# Altium PCB DIO_MCX_Isolated.PCBDOC (part 1 of 5)
Units mm, origin at the board's own origin, x right, y up, seen from the top; angles counter-clockwise.
Board outline 220 x 100 mm, 4 copper layers (L1, P2, P3, L4), stack 1.571 mm thick; 384 components, 255 nets, 1667 pads, 660 vias.
Unrouted connection lines stored in the file: 783.
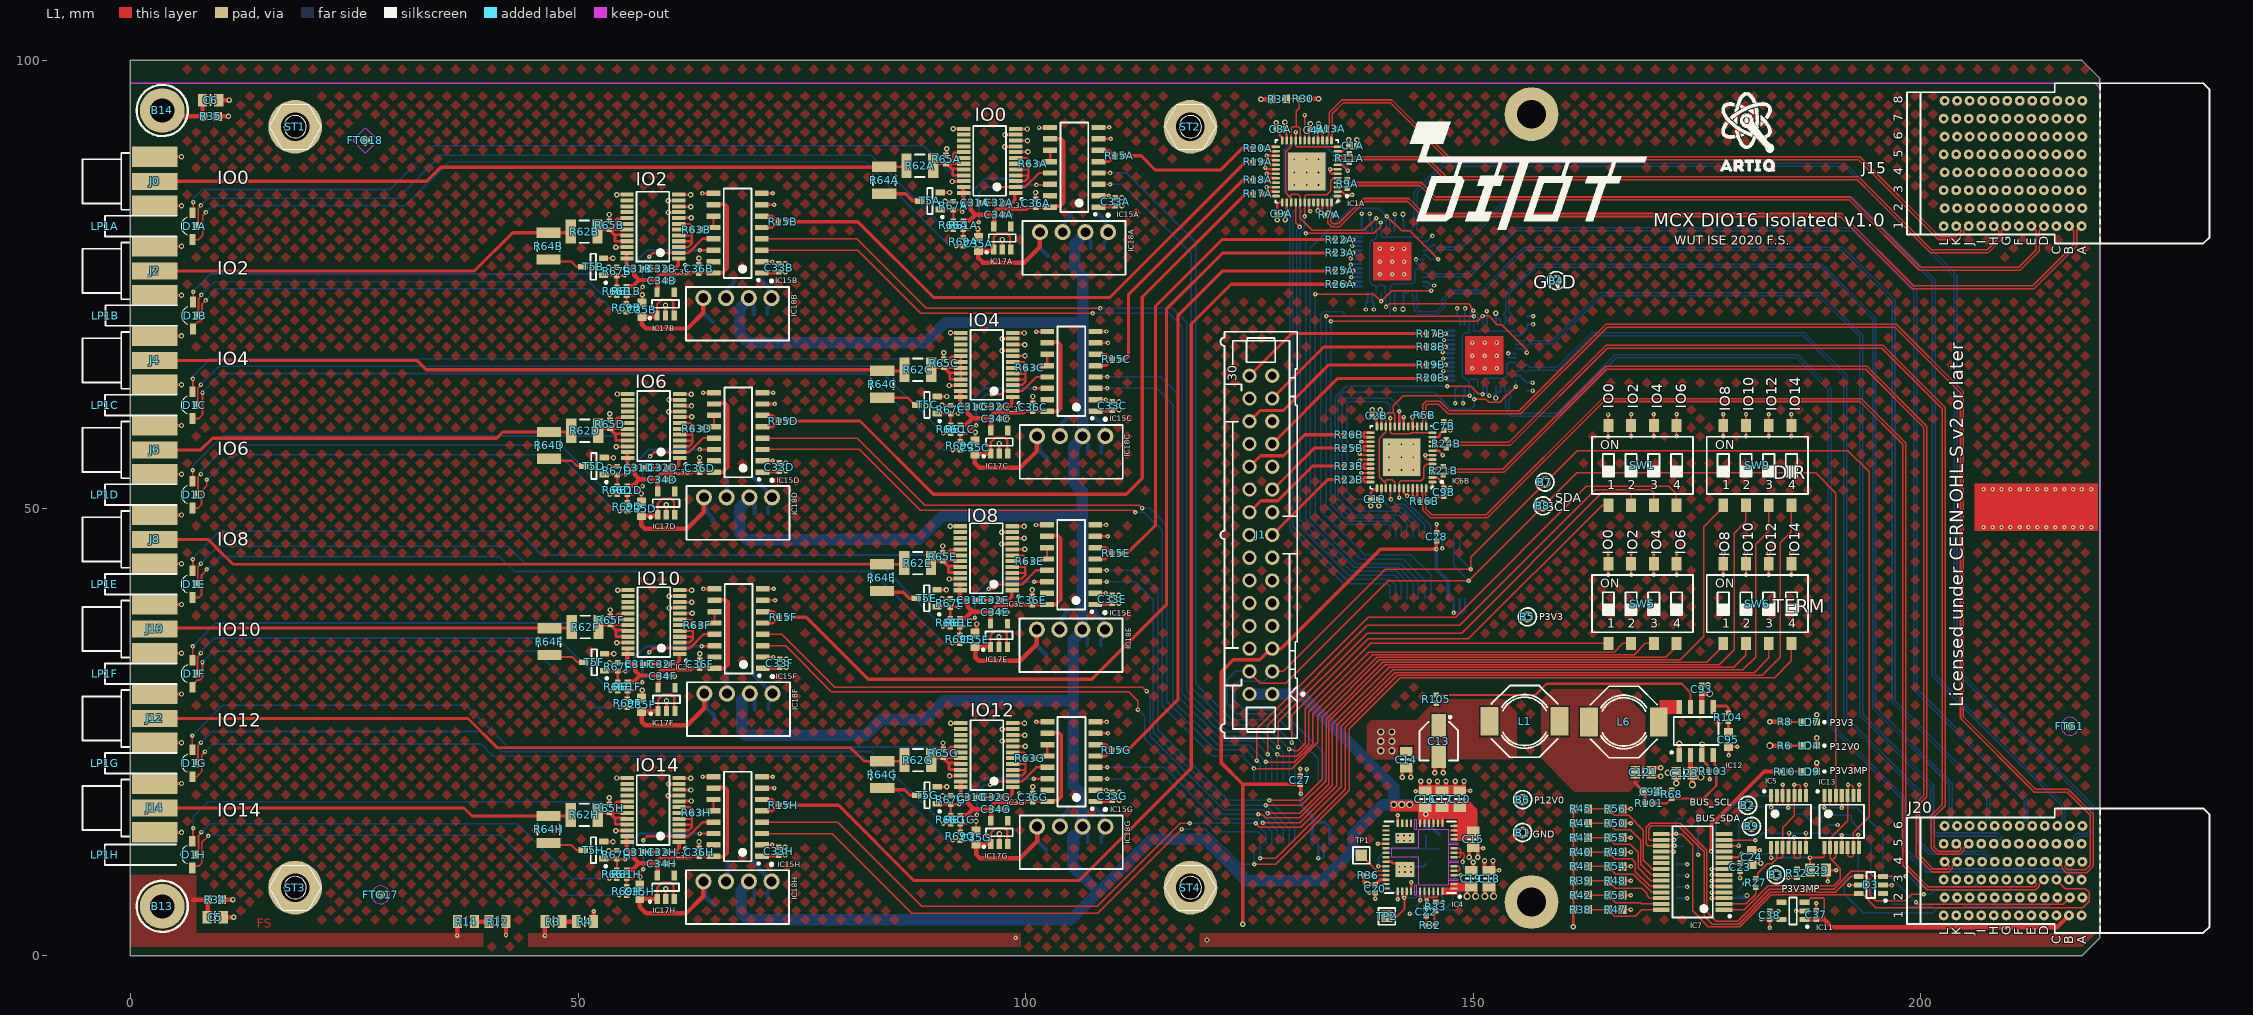
[diagram p0: L1 view]
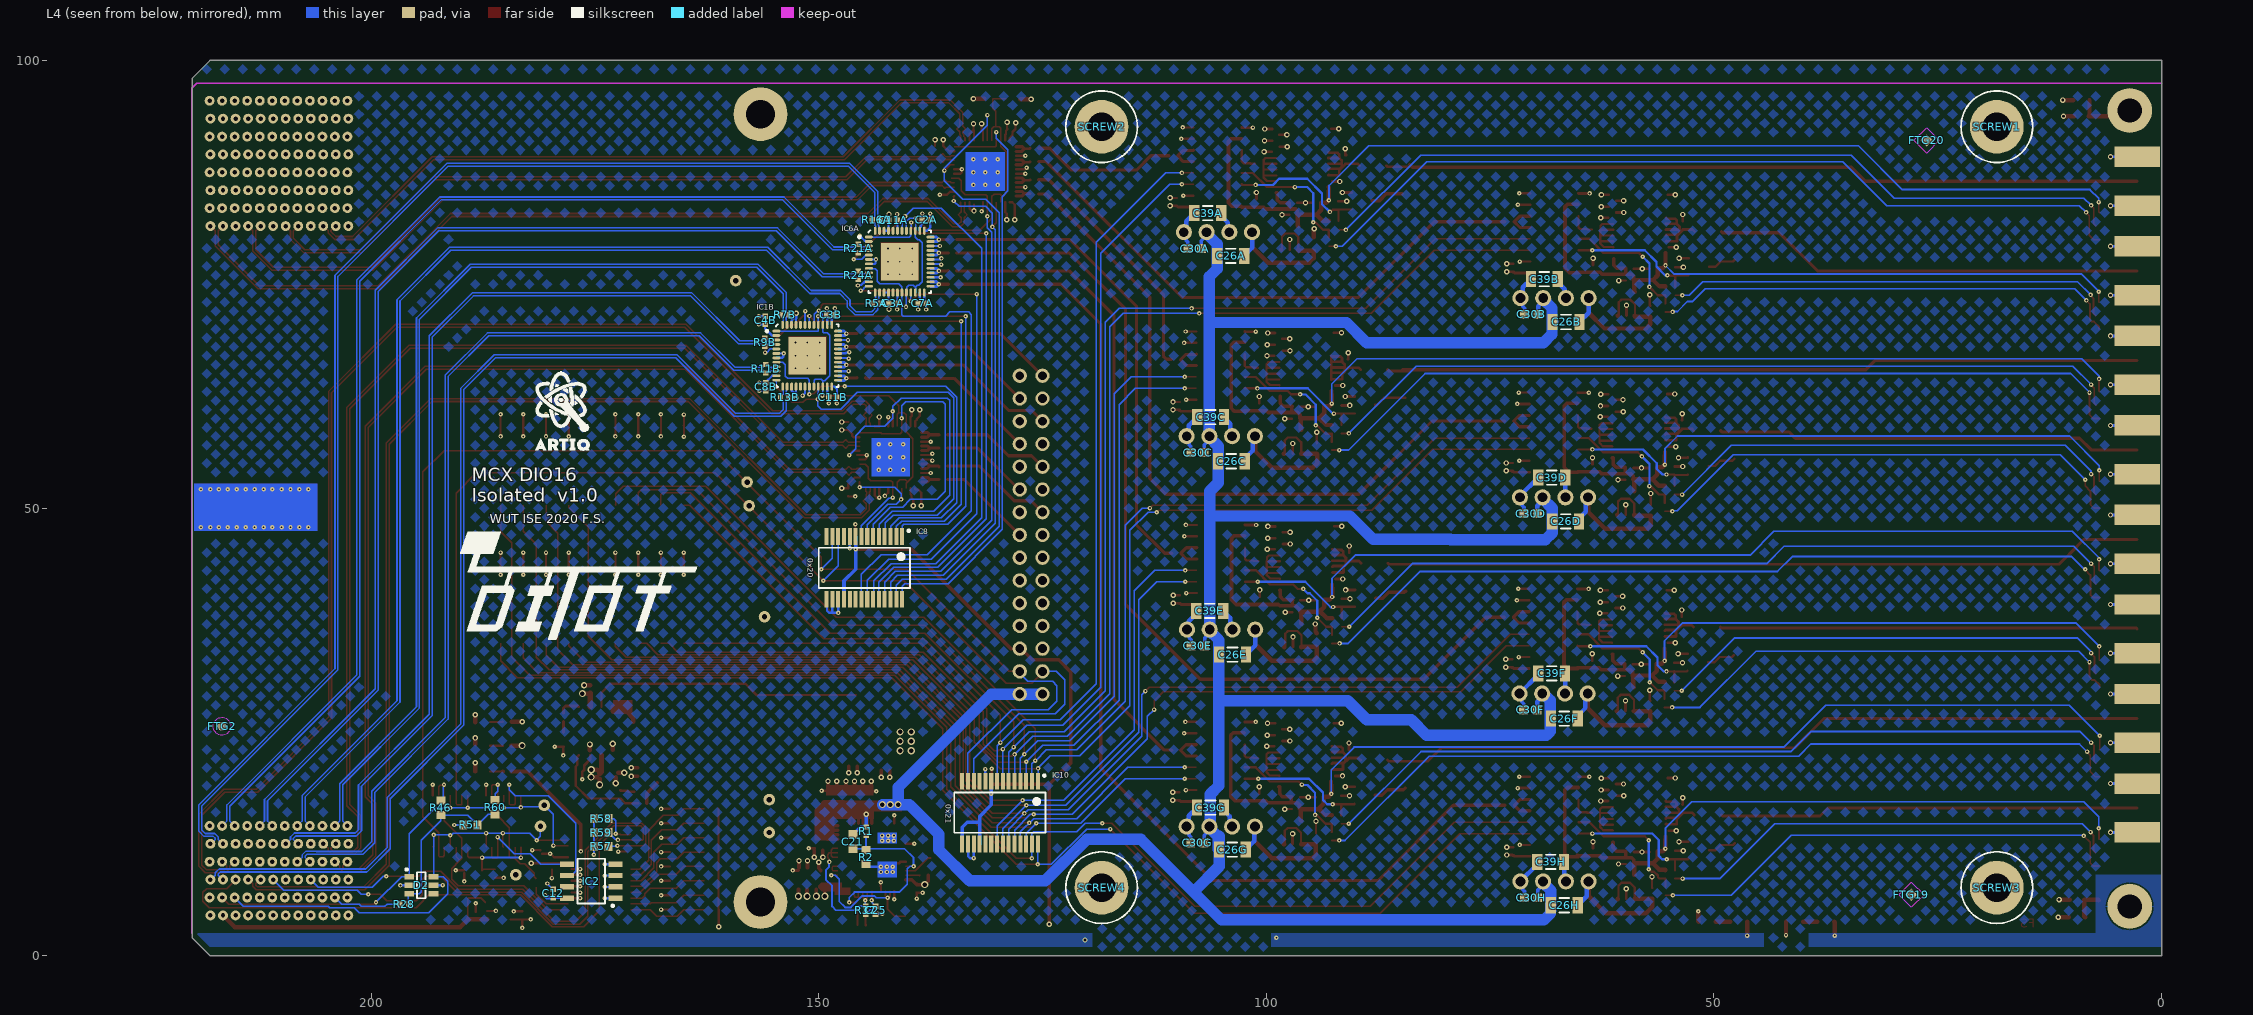
[diagram p1: L4 view, seen from below]
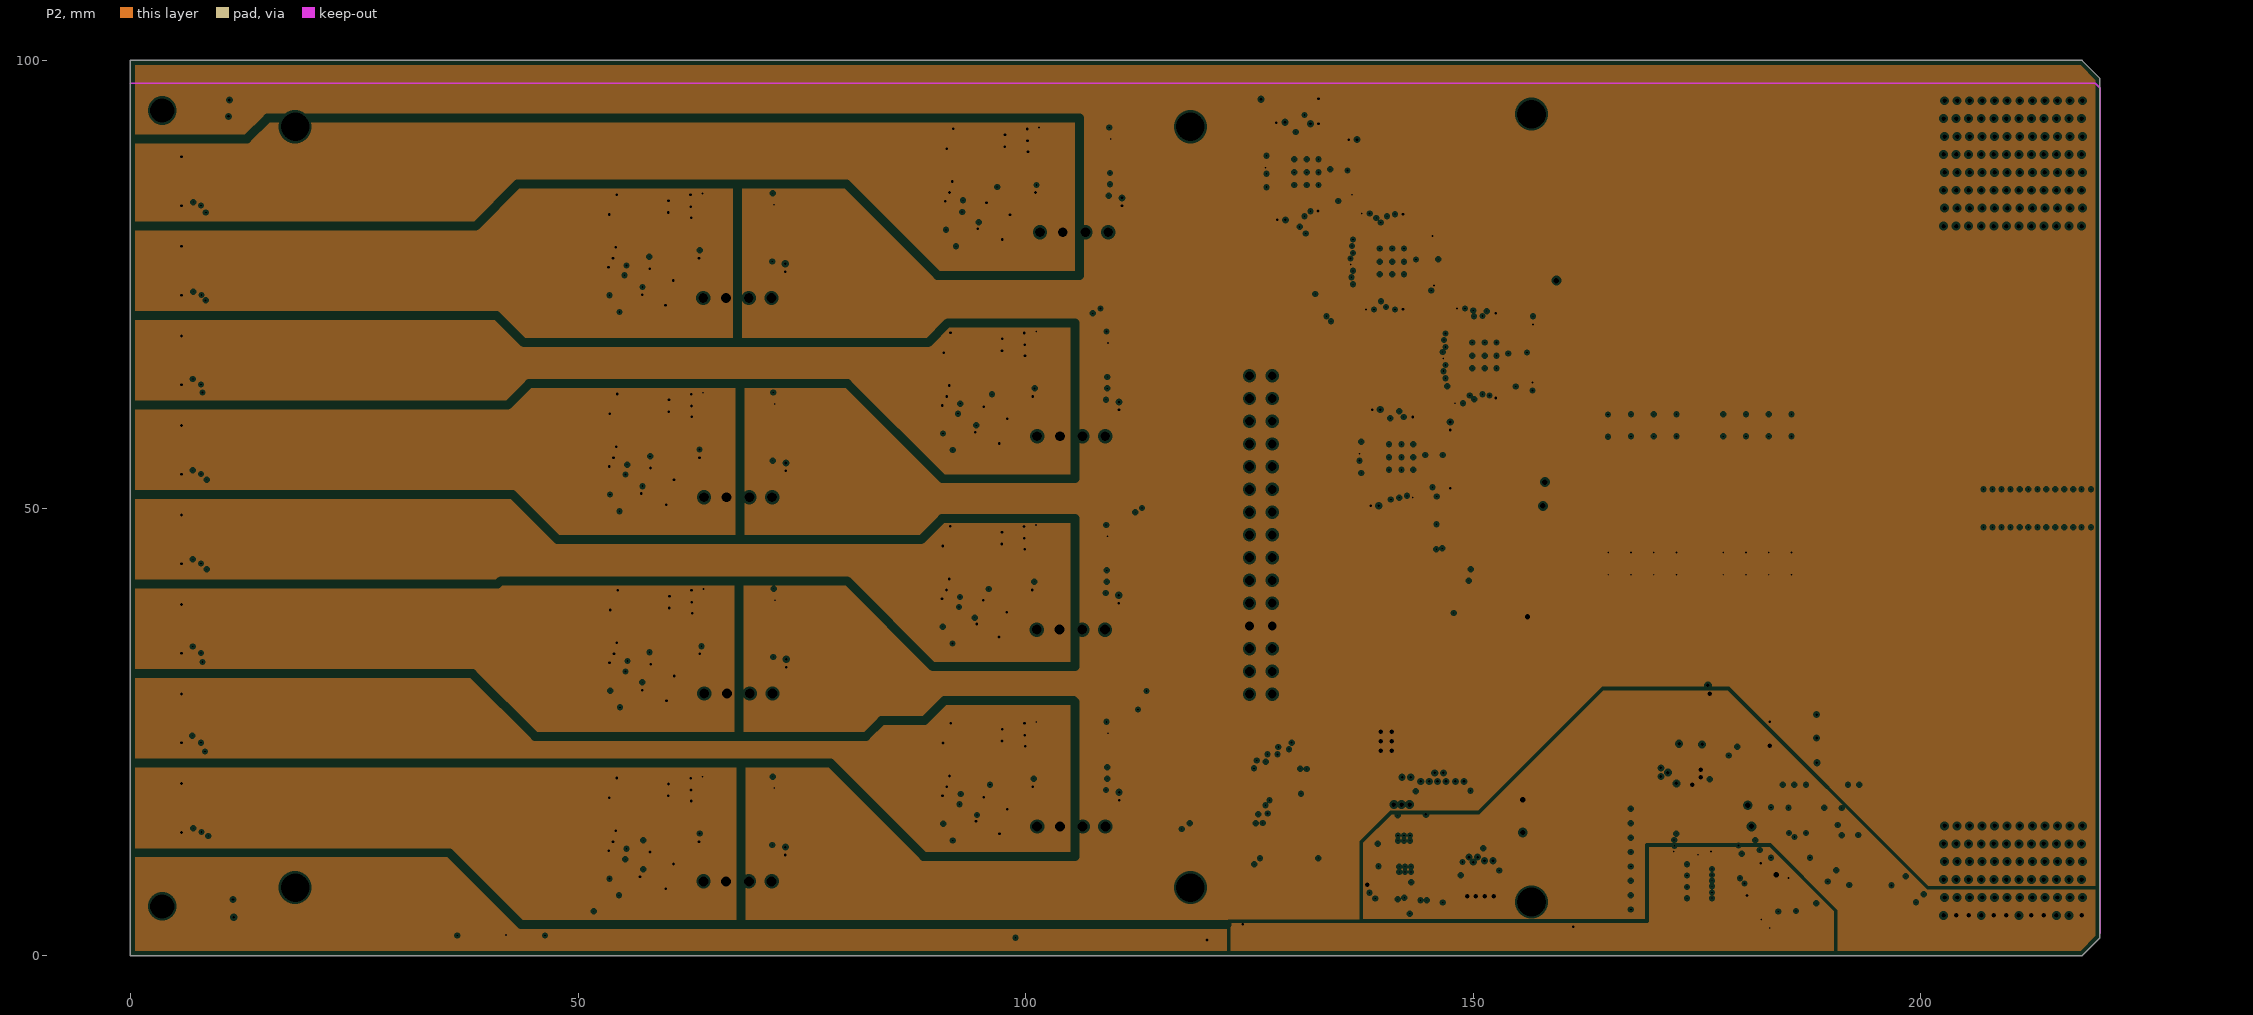
[diagram p2: P2, clearances drawn from the general rule]
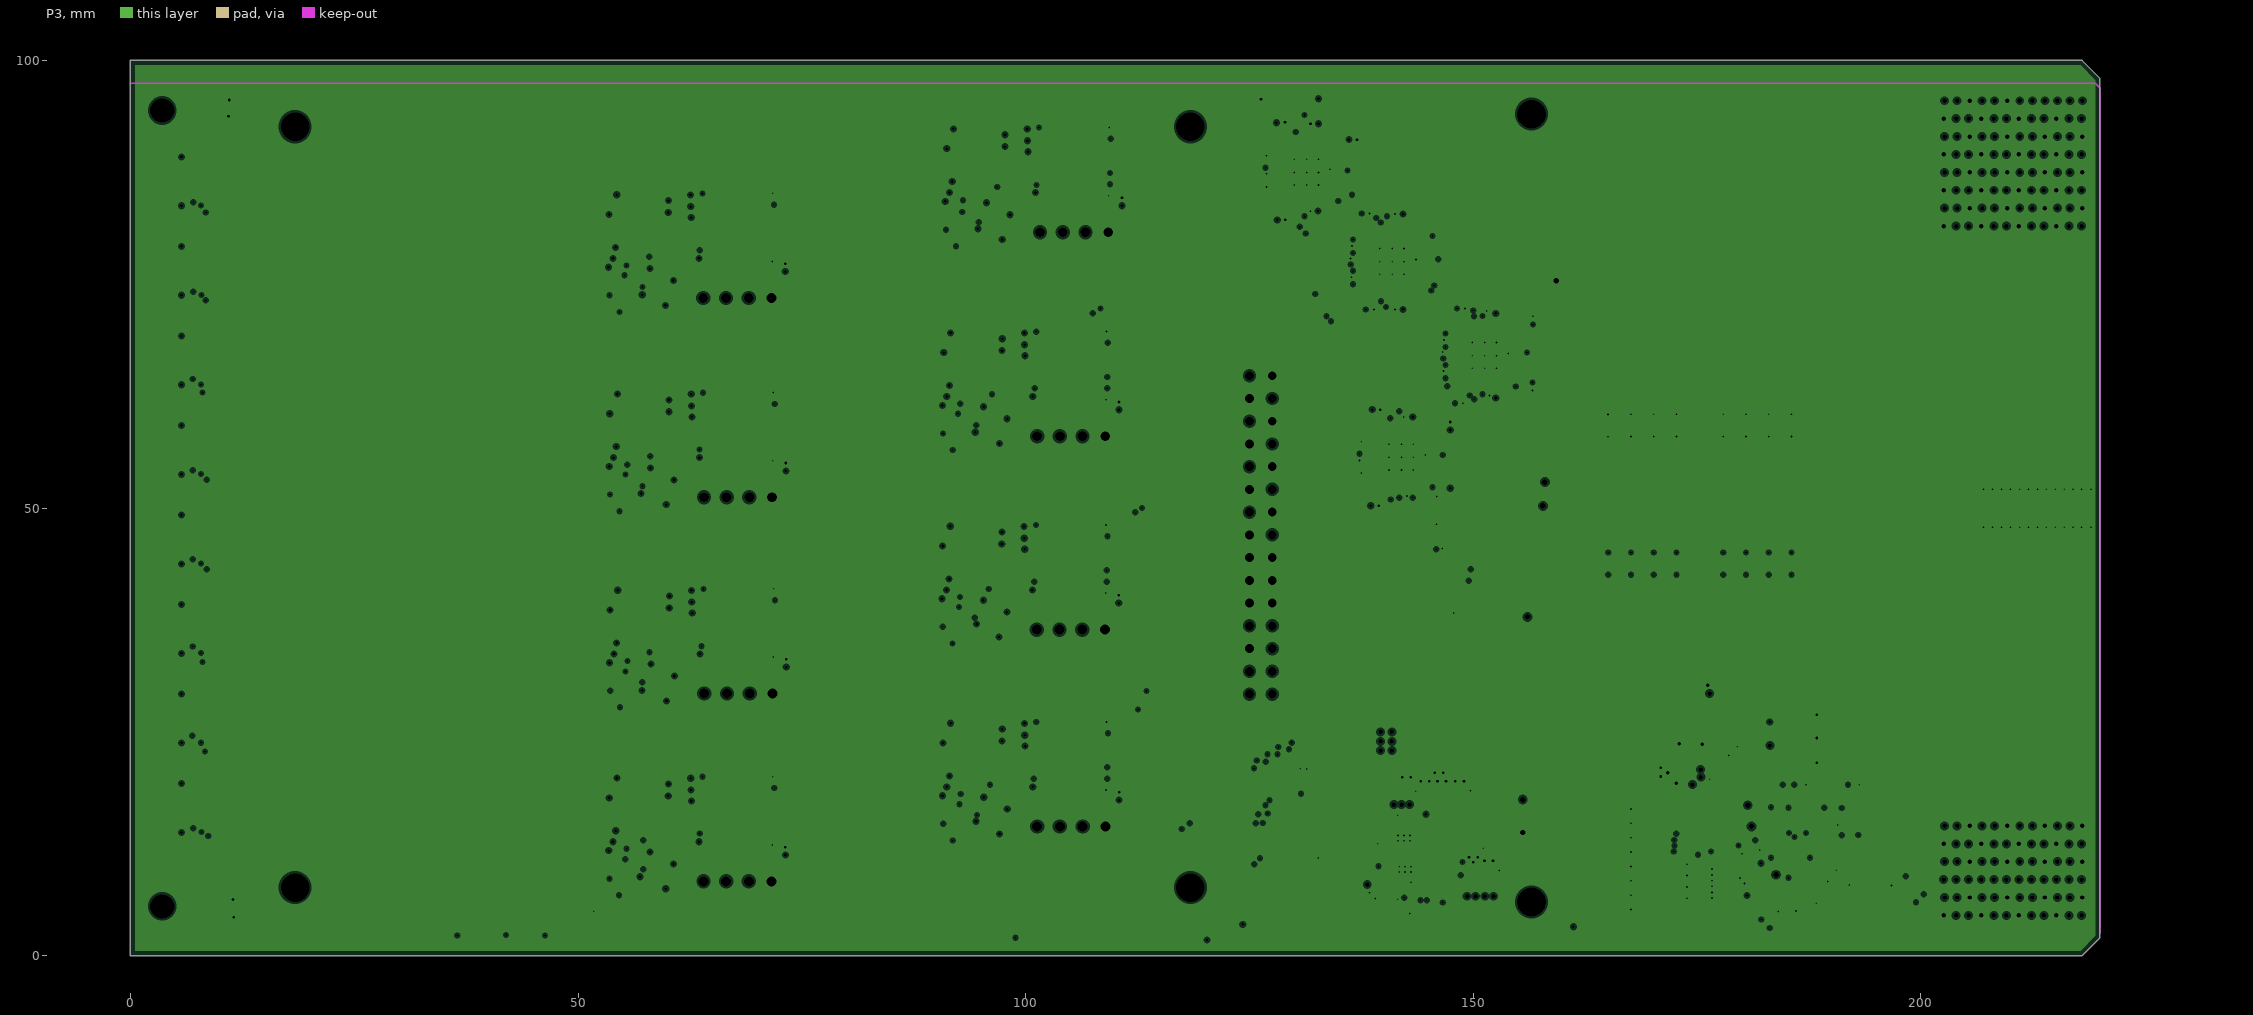
[diagram p3: P3, clearances drawn from the general rule]

## Layer stack, top to bottom
Top Solder: solder mask 0.034, Solder Resist, Dk 3.5
L1: signal copper 0.035
Dielectric 2: prepreg 0.2, 7628, Dk 4.1
P2: plane copper 0.018, net (Multiple Nets)
Dielectric 3: prepreg 1.065, PP-006, Dk 4.1
P3: plane copper 0.018, net GND
Dielectric 1: prepreg 0.2, 7628, Dk 4.1
L4: signal copper 0.035
Bottom Solder: solder mask 0.034, Solder Resist, Dk 3.5

## Board outline
0,0 0,100 218,100 220,98 220,2 218,0

## Design rules (kind name [scope] priority, off if disabled: settings)
AcuteAngle AcuteAngle_GND [InNet('GND')] p1: minimum=5.00000000000000E+0001 checktracksonly=FALSE
AcuteAngle [All] p2: minimum=5.00000000000000E+0001 checktracksonly=FALSE
Clearance Clearance_2 [InNamedPolygon('FILLER')] p1: gap=0.254 ignorepadtopadclearanceinfootprint=FALSE
Clearance Clearance_1 [InPolygon vs (InDifferentialPairClass('All Differential Pairs'))] p2: gap=0.254 ignorepadtopadclearanceinfootprint=FALSE except(0: Arc-Hole Track-Hole SMDPad-Hole THPad-Hole Via-Hole Fill-Hole Poly-Hole Region-Hole Text-Hole; 0.508: Track-Poly)
Clearance Clearance_KeepOut [OnLayer('Keep-Out Layer') vs NOT (InComponent('J8') OR InComponent('J11'))] p3: gap=0.127 ignorepadtopadclearanceinfootprint=FALSE
Clearance Clearance_DiffPair_1 [(InDifferentialPairClass('All Differential Pairs')) vs (InDifferentialPairClass('All Differential Pairs'))] p4 off: gap=0.3 ignorepadtopadclearanceinfootprint=FALSE except(0: Arc-Hole Track-Hole SMDPad-Hole THPad-Hole Via-Hole Fill-Hole Poly-Hole Region-Hole Text-Hole)
Clearance [Not (OnLayer('Keep-Out Layer'))] p5: gap=0.127 ignorepadtopadclearanceinfootprint=FALSE except(0: Arc-Hole Track-Hole SMDPad-Hole THPad-Hole Via-Hole Fill-Hole Poly-Hole Region-Hole Text-Hole; 0.203: Arc-Poly Track-Poly SMDPad-Poly THPad-Poly Via-Poly Fill-Poly Poly-Poly)
Clearance Clearance_abs [All] p6: gap=0.127 ignorepadtopadclearanceinfootprint=FALSE
ComponentClearance ComponentClearance_M13 [not OnLayer('M13')] p1: gap=0 collisioncheckmode=3 verticalgap=0 showdistances=FALSE
ComponentClearance Clearance_ERNI [(HasFootprint('ERMET ZD 3-10 CONNECTOR')) vs (HasFootprint('ERMET ZD 3-10 CONNECTOR'))] p2: gap=0 collisioncheckmode=3 verticalgap=0.254 showdistances=FALSE
ComponentClearance Clearance_Radiall_Placement [HasFootprint('Coaxipack2') vs HasFootprint('Coaxipack2')] p3: gap=0 collisioncheckmode=3 verticalgap=0.254 showdistances=FALSE
ComponentClearance [All] p4: gap=0.254 collisioncheckmode=3 verticalgap=0.254 showdistances=FALSE
DiffPairsRouting CLK_DiffPairsRouting [(InDifferentialPairClass('All Differential Pairs'))] p1: maxlimit=0.152 minlimit=0.15 mostfreqgap=0.152 toplayer_minwidth=0.17 toplayer_maxwidth=0.178 toplayer_prefwidth=0.178 bottomlayer_minwidth=0.17 bottomlayer_maxwidth=0.178 bottomlayer_prefwidth=0.178 impedanceprofiledriven=TRUE impedanceprofileid={1638B388-A55E-4872-B911-ACA13AA289D7} maxuncoupledlength=10
FabricationTestPointUsage TestPointUsage [All] p1: valid=0 allowmultiple=FALSE
FabricationTestpoint Testpoint [(IsPad And (OnTopLayer Or OnBottomLayer))] p1: side=3 testpointundercomponent=TRUE minsize=1.016 maxsize=2.54 preferedsize=1.524 minholesize=0 maxholesize=1.016 preferedholesize=0.813 testpointgrid=0.025 allowsidetop=TRUE allowsidebottom=TRUE usegrid=TRUE gridtolerance=0
Height BottomHeight [All] p1: minheight=0 maxheight=20 prefheight=10
Height TopHeight [OnLayer('Top Layer (LO)')] p2: minheight=0 maxheight=2.5 prefheight=1
HoleSize [All] p1: absolutevalues=TRUE maxlimit=5 minlimit=0.2 maxpercent=80.000 minpercent=20.000
HoleToHoleClearance [All] p1: gap=0.2 allowstackedmicrovias=TRUE
MinimumAnnularRing [All] p1: minimumring=0.1
MinimumSolderMaskSliver [All] p1 off: minsoldermaskwidth=0.05
PlaneClearance [All] p1: clearance=0.25
PlaneConnect PlaneConnect_pad [InPadClass('All Pads')] p1: planeconnectstyle=Direct reliefexpansion=0.508 reliefentries=4 reliefconductorwidth=0.254 reliefairgap=0.254
PlaneConnect [All] p2: planeconnectstyle=Direct reliefexpansion=0.508 reliefentries=4 reliefconductorwidth=0.254 reliefairgap=0.254
PolygonConnect PolygonConnect_pad [IsPad] p1: connectstyle=Relief reliefconductorwidth=0.15 reliefentries=4 polygonreliefangle="90 Angle" airgapwidth=0.152
PolygonConnect [All] p2: connectstyle=Direct reliefconductorwidth=0.254 reliefentries=4 polygonreliefangle="90 Angle" airgapwidth=0.254
RoomDefinition U_Channel7 [InComponentClass('U_Channel7')] p1: confinementstyle=ConfineIn formatcopy=TRUE lockcomponents=FALSE outline 83.096,9.2 117.293,9.2 117.293,27.748 83.096,27.748
RoomDefinition U_Channel6 [InComponentClass('U_Channel6')] p2: confinementstyle=ConfineIn formatcopy=TRUE lockcomponents=FALSE outline 45.913,24.059 80.11,24.059 80.11,42.608 45.913,42.608
RoomDefinition U_Channel5 [InComponentClass('U_Channel5')] p3: confinementstyle=ConfineIn formatcopy=TRUE lockcomponents=FALSE outline 83.053,31.202 117.25,31.202 117.25,49.75 83.053,49.75
RoomDefinition U_Channel1 [InComponentClass('U_Channel1')] p4: confinementstyle=ConfineIn formatcopy=TRUE lockcomponents=FALSE outline 83.408,75.592 117.605,75.592 117.605,94.141 83.408,94.141
RoomDefinition U_P6 [InComponentClass('U_P6')] p5: confinementstyle=ConfineIn formatcopy=TRUE lockcomponents=FALSE outline -49.9,-96.1 0.9,-96.1 0.9,-70.7 -49.9,-70.7
RoomDefinition U_P1 [InComponentClass('U_P1')] p6: confinementstyle=ConfineIn formatcopy=TRUE lockcomponents=FALSE outline 221.099,39.9 230.599,39.9 230.599,44.9 221.099,44.9
RoomDefinition U_ID_logic [InComponentClass('U_ID_logic')] p7: confinementstyle=ConfineIn formatcopy=TRUE lockcomponents=FALSE outline 221.099,26.9 327.099,26.9 327.099,38.65 221.099,38.65
RoomDefinition U_Channel8 [InComponentClass('U_Channel8')] p8: confinementstyle=ConfineIn formatcopy=TRUE lockcomponents=FALSE outline 45.816,3.074 80.013,3.074 80.013,21.622 45.816,21.622
RoomDefinition U_Channel4 [InComponentClass('U_Channel4')] p9: confinementstyle=ConfineIn formatcopy=TRUE lockcomponents=FALSE outline 45.873,45.979 80.07,45.979 80.07,64.527 45.873,64.527
RoomDefinition U_Channel3 [InComponentClass('U_Channel3')] p10: confinementstyle=ConfineIn formatcopy=TRUE lockcomponents=FALSE outline 83.088,52.803 117.285,52.803 117.285,71.351 83.088,71.351
RoomDefinition U_Channel2 [InComponentClass('U_Channel2')] p11: confinementstyle=ConfineIn formatcopy=TRUE lockcomponents=FALSE outline 45.803,68.236 80,68.236 80,86.784 45.803,86.784
RoomDefinition DIO_MCX_Isolated [InComponentClass('DIO_MCX_Isolated')] p12: confinementstyle=ConfineIn formatcopy=TRUE lockcomponents=FALSE outline 221.099,1.65 418.099,1.65 418.099,14.65 221.099,14.65
RoomDefinition U_DIO-MCX_Supply [InComponentClass('U_DIO-MCX_Supply')] p13: confinementstyle=ConfineIn formatcopy=TRUE lockcomponents=FALSE outline 161.135,42.282 171.35,42.282 171.35,50.782 161.135,50.782
RoomDefinition U_LVDS_IFCB [InComponentClass('U_LVDS_IFCB')] p14: confinementstyle=ConfineIn formatcopy=TRUE lockcomponents=FALSE outline 141.75,10.9 122.3,10.9 122.3,64.4 141.75,64.4
RoomDefinition U_LVDS_IFCA [InComponentClass('U_LVDS_IFCA')] p15: confinementstyle=ConfineIn formatcopy=TRUE lockcomponents=FALSE outline 144.175,11.625 160.725,11.625 160.725,64.65 144.175,64.65
RoutingVias "Schematic Routing Via Style_2" [InNet('P12V0')] p1: holewidth=0.5 width=0.7 viastyle="Through Hole" minholewidth=0.5 minwidth=0.7 maxholewidth=0.711 maxwidth=1.27
RoutingVias "Schematic Routing Via Style" [InNet('P5V0')] p2: holewidth=0.5 width=0.7 viastyle="Through Hole" minholewidth=0.2 minwidth=0.5 maxholewidth=0.711 maxwidth=1.27
RoutingVias "Schematic Routing Via Style_1" [InNet('NetC94_2')] p3: holewidth=0.5 width=0.7 viastyle="Through Hole" minholewidth=0.5 minwidth=0.7 maxholewidth=0.711 maxwidth=1.27
RoutingVias [All] p4: holewidth=0.3 width=0.6 viastyle="Through Hole" minholewidth=0.2 minwidth=0.5 maxholewidth=0.6 maxwidth=1
SMDNeckDown [All] p1 off: percent=100.000
SMDToCorner [All] p1 off: distance=39370
SMDToPlane [All] p1 off: distance=0
SilkToSilkClearance [All] p1: silktosilkclearance=0
SilkToSolderMaskClearance SilkscreenOverComponentPads [IsPad] p1: minsilkscreentomaskgap=0 clearancetoexposedcopper=TRUE
SolderMaskExpansion [All] p1: expansion=0.015
UnRoutedNet [All] p1: checkbadconnections=TRUE
ViasUnderSMD [All] p1: allowed=FALSE
Width "Schematic Width Constraint_3" [InNet('P12V0')] p1: maxlimit=1.27 minlimit=0.381 preferedwidth=0.508
Width "Schematic Width Constraint_2" [InNet('P5V0')] p2: maxlimit=1.27 minlimit=0.15 preferedwidth=0.508
Width "Schematic Width Constraint" [InNetClass('SE50')] p3: maxlimit=0.35 minlimit=0.3 preferedwidth=0.35
Width "Schematic Width Constraint_1" [InNet('NetC94_2')] p4: maxlimit=1.27 minlimit=0.381 preferedwidth=0.508
Width CLK_DiffPairs_Width [(InDifferentialPairClass('All Differential Pairs'))] p5: maxlimit=0.152 minlimit=0.152 preferedwidth=0.152 minimp=50.000000 maximp=50.000000 favimp=50.000000 checkconnectedcopper=TRUE
Width Width-SE [All] p6: maxlimit=0.5 minlimit=0.151 preferedwidth=0.152 minimp=49.000000 maximp=51.000000 favimp=50.000000
17 further rules are at their usual default settings.

## Classes and differential pairs
net class U_Channel8_Nets: DIR_ISOH LEDAH NetD1H_3 NetIC3H_3 NetIC3H_17 NetIC15H_5 NetIC15H_11 NetIC15H_15 NetIC17H_4 NetR64H_1 P3V3_ISOH P5V0_ISOH TERM_ISOH
net class U_Channel7_Nets: DIR_ISOG LEDAG NetD1G_3 NetIC3G_3 NetIC3G_17 NetIC15G_5 NetIC15G_11 NetIC15G_15 NetIC17G_4 NetR64G_1 P3V3_ISOG P5V0_ISOG TERM_ISOG
net class U_Channel6_Nets: DIR_ISOF LEDAF NetD1F_3 NetIC3F_3 NetIC3F_17 NetIC15F_5 NetIC15F_11 NetIC15F_15 NetIC17F_4 NetR64F_1 P3V3_ISOF P5V0_ISOF TERM_ISOF
net class U_Channel5_Nets: DIR_ISOE LEDAE NetD1E_3 NetIC3E_3 NetIC3E_17 NetIC15E_5 NetIC15E_11 NetIC15E_15 NetIC17E_4 NetR64E_1 P3V3_ISOE P5V0_ISOE TERM_ISOE
net class U_Channel4_Nets: DIR_ISOD LEDAD NetD1D_3 NetIC3D_3 NetIC3D_17 NetIC15D_5 NetIC15D_11 NetIC15D_15 NetIC17D_4 NetR64D_1 P3V3_ISOD P5V0_ISOD TERM_ISOD
net class U_Channel3_Nets: DIR_ISOC LEDAC NetD1C_3 NetIC3C_3 NetIC3C_17 NetIC15C_5 NetIC15C_11 NetIC15C_15 NetIC17C_4 NetR64C_1 P3V3_ISOC P5V0_ISOC TERM_ISOC
net class U_Channel2_Nets: DIR_ISOB LEDAB NetD1B_3 NetIC3B_3 NetIC3B_17 NetIC15B_5 NetIC15B_11 NetIC15B_15 NetIC17B_4 NetR64B_1 P3V3_ISOB P5V0_ISOB TERM_ISOB
net class U_Channel1_Nets: DIR_ISOA LEDAA NetD1A_3 NetIC3A_3 NetIC3A_17 NetIC15A_5 NetIC15A_11 NetIC15A_15 NetIC17A_4 NetR64A_1 P3V3_ISOA P5V0_ISOA TERM_ISOA
net class SE50: IO0 IO1 IO2 IO3 IO4 IO5 IO6 IO7 IO8 IO9 IO10 IO11 IO12 IO13 IO14 IO15 IO_CON0 IO_CON2 IO_CON4 IO_CON6 IO_CON8 IO_CON10 IO_CON12 IO_CON14 NetIC1A_25 NetIC1A_28 NetIC1A_32 NetIC1A_35 NetIC1B_25 NetIC1B_28 NetIC1B_32 NetIC1B_35 NetIC3A_17 NetIC3B_17 NetIC3C_17 NetIC3D_17 NetIC3E_17 NetIC3F_17 NetIC3G_17 NetIC3H_17 NetIC6A_25 NetIC6A_28 NetIC6A_32 NetIC6A_35 NetIC6B_25 NetIC6B_28 NetIC6B_32 NetIC6B_35 NetIC15A_5 NetIC15B_5 NetIC15C_5 NetIC15D_5 NetIC15E_5 NetIC15F_5 NetIC15G_5 NetIC15H_5
channel class Channel: U_Channel1 U_Channel2 U_Channel3 U_Channel4 U_Channel5 U_Channel6 U_Channel7 U_Channel8 U_Channel9 U_Channel10 U_Channel11 U_Channel12 U_Channel13 U_Channel14 U_Channel15 U_Channel16
component class U_P6: J15
component class U_P1: D2 D3 J20 R28
component class U_ID_logic: B2 B9 C12 C23 C24 C29 IC2 IC5 IC7 IC13 R27 R38 R39 R40 R41 R42 R43 R44 R45 R46 R47 R48 R49 R50 R51 R52 R53 R54 R55 R56 R57 R58 R59 R60
component class U_Channel8: C26H C30H C31H C32H C33H C34H C35H C36H C39H D1H IC3H IC15H IC17H IC18H LP1H R15H R61H R62H R63H R64H R65H R66H R67H R69H T5H
component class U_Channel7: C26G C30G C31G C32G C33G C34G C35G C36G C39G D1G IC3G IC15G IC17G IC18G LP1G R15G R61G R62G R63G R64G R65G R66G R67G R69G T5G
component class U_Channel6: C26F C30F C31F C32F C33F C34F C35F C36F C39F D1F IC3F IC15F IC17F IC18F LP1F R15F R61F R62F R63F R64F R65F R66F R67F R69F T5F
component class U_Channel5: C26E C30E C31E C32E C33E C34E C35E C36E C39E D1E IC3E IC15E IC17E IC18E LP1E R15E R61E R62E R63E R64E R65E R66E R67E R69E T5E
component class U_Channel4: C26D C30D C31D C32D C33D C34D C35D C36D C39D D1D IC3D IC15D IC17D IC18D LP1D R15D R61D R62D R63D R64D R65D R66D R67D R69D T5D
component class U_Channel3: C26C C30C C31C C32C C33C C34C C35C C36C C39C D1C IC3C IC15C IC17C IC18C LP1C R15C R61C R62C R63C R64C R65C R66C R67C R69C T5C
component class U_Channel2: C26B C30B C31B C32B C33B C34B C35B C36B C39B D1B IC3B IC15B IC17B IC18B LP1B R15B R61B R62B R63B R64B R65B R66B R67B R69B T5B
component class U_Channel1: C26A C30A C31A C32A C33A C34A C35A C36A C39A D1A IC3A IC15A IC17A IC18A LP1A R15A R61A R62A R63A R64A R65A R66A R67A R69A T5A
net class Z100R: LVDS1A_N LVDS1A_P LVDS1B_N LVDS1B_P LVDS2A_N LVDS2A_P LVDS2B_N LVDS2B_P LVDS3A_N LVDS3A_P LVDS3B_N LVDS3B_P LVDS4A_N LVDS4A_P LVDS4B_N LVDS4B_P LVDS5A_N LVDS5A_P LVDS5B_N LVDS5B_P LVDS6A_N LVDS6A_P LVDS6B_N LVDS6B_P LVDS7A_N LVDS7A_P LVDS7B_N LVDS7B_P LVDS8A_N LVDS8A_P LVDS8B_N LVDS8B_P
net class Hpower: NetC94_2 P5V0 P12V0
component class DIO_MCX_Isolated: B7 B8 B13 B14 C5 C6 C27 C28 IC8 IC10 J0 J1 J2 J4 J6 J8 J10 J12 J14 R3 R4 R12 R14 R30 R31 R34 R35 SCREW1 SCREW2 SCREW3 SCREW4 ST1 ST2 ST3 ST4 SW1 SW5 SW6 SW9
channel class LVDS_IFC_MCX: U_LVDS_IFCA U_LVDS_IFCB
component class U_LVDS_IFCA: C1A C2A C3A C4A C7A C8A C9A C11A IC1A IC6A R5A R7A R9A R11A R13A R16A R17A R18A R19A R20A R21A R22A R23A R24A R25A R26A
component class U_DIO-MCX_Supply: B1 B3 B4 B5 B6 C10 C13 C14 C15 C16 C17 C18 C19 C20 C21 C22 C25 C37 C38 C93 C94 C95 C121 C123 FTG1 FTG2 FTG17 FTG18 FTG19 FTG20 IC4 IC11 IC12 L1 L6 LD4 LD7 LD9 R1 R2 R6 R8 R10 R32 R33 R36 R37 R68 R101 R103 R104 R105 TP1 TP2
component class U_LVDS_IFCB: C1B C2B C3B C4B C7B C8B C9B C11B IC1B IC6B R5B R7B R9B R11B R13B R16B R17B R18B R19B R20B R21B R22B R23B R24B R25B R26B
differential pair LVDS8B: +LVDS8B_P -LVDS8B_N
differential pair LVDS8A: +LVDS8A_P -LVDS8A_N
differential pair LVDS7B: +LVDS7B_P -LVDS7B_N
differential pair LVDS7A: +LVDS7A_P -LVDS7A_N
differential pair LVDS6B: +LVDS6B_P -LVDS6B_N
differential pair LVDS6A: +LVDS6A_P -LVDS6A_N
differential pair LVDS5B: +LVDS5B_P -LVDS5B_N
differential pair LVDS5A: +LVDS5A_P -LVDS5A_N
differential pair LVDS4B: +LVDS4B_P -LVDS4B_N
differential pair LVDS4A: +LVDS4A_P -LVDS4A_N
differential pair LVDS3B: +LVDS3B_P -LVDS3B_N
differential pair LVDS3A: +LVDS3A_P -LVDS3A_N
differential pair LVDS2B: +LVDS2B_P -LVDS2B_N
differential pair LVDS2A: +LVDS2A_P -LVDS2A_N